# Allegro board 600-90658-01_CYW9BTM2BASE1_REV4.0.brd (continued)
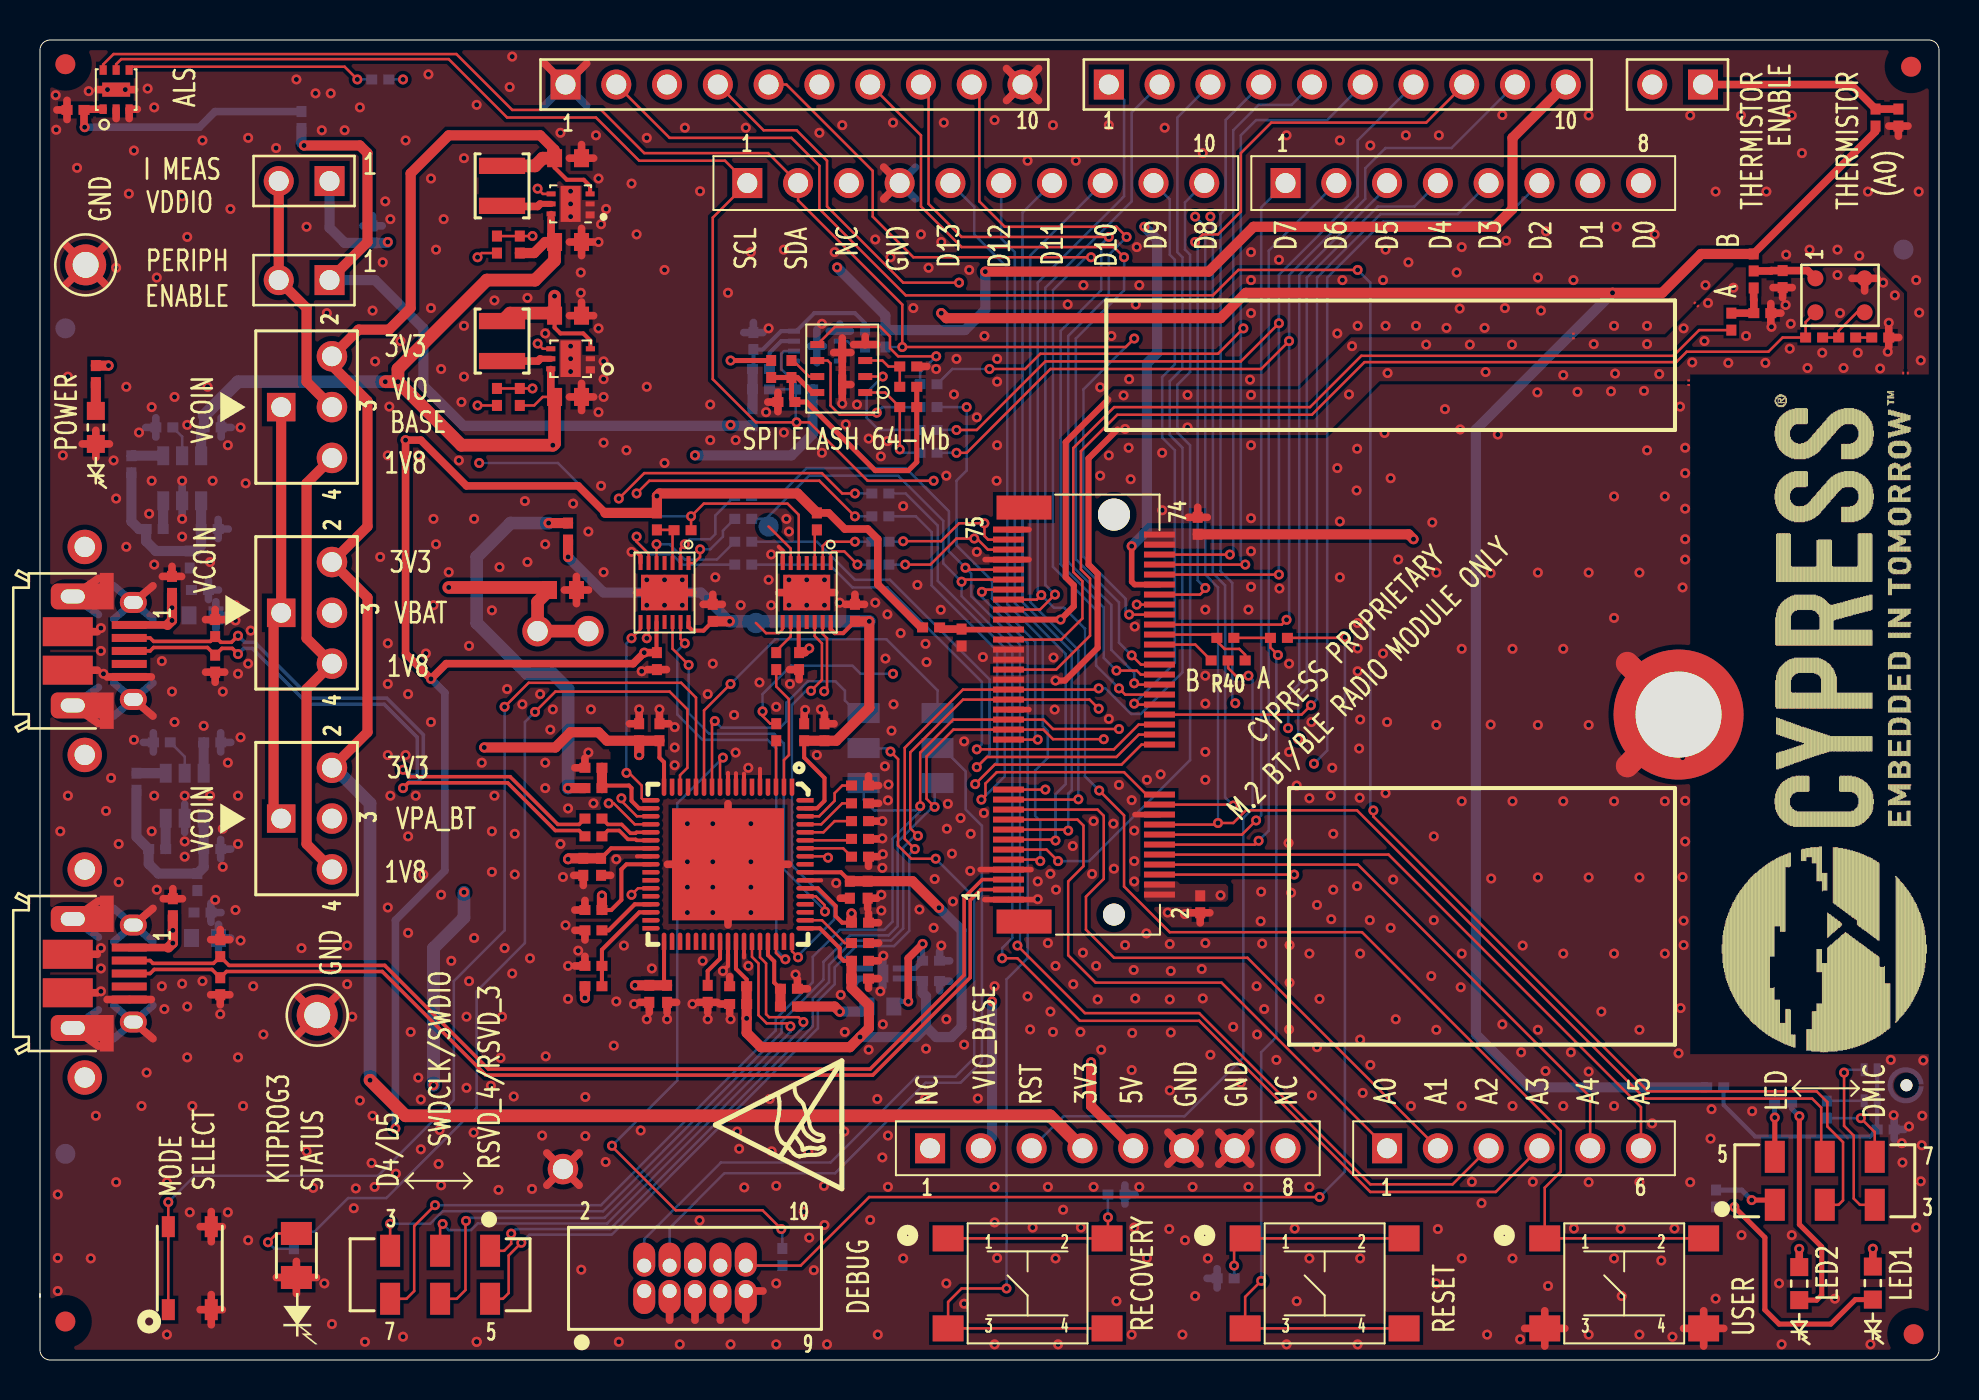
[diagram p0: board, top side]
## Routing (per net, layer and track width the routed paths; a pad name or vN(x,y) marks a point on that pad's centre or on a via; arc(x,y) is an arc through that point) (continued)
SCL: length 81
  TOP w0.127: v1(44.7,43.96) 41.4,43.96 38.48,46.88 v1(37.85,46.88) 35.81,46.88 33.66,49.04 33.66,57.12 J3.1 34.26,59.96 29.97,59.96 27.81,62.12 23.37,62.12 20.45,65.04 4.06,65.04 3.81,64.79 U10.5 ; J100.60 54.99,37.77 54.99,37.77 v1(54.86,37.77)
  L03_PWR w0.127: v1(54.86,37.77) 53.96,37.77 53.67,37.48 46.18,37.48 44.7,38.96 v1(44.7,43.96)
  BOTTOM w0.127: R39.2 37.8,46.93 v1(37.85,46.88) ; R39.2 R21.2 ; R39.2 37.8,48.83 37.08,49.55 37.08,50.31 37.22,50.44 U3.6
SCLK: length 7.7
  TOP w0.127: U11.6 39.4,49.97 39.55,49.83 39.55,47.72 40,47.26 41.76,47.26 v1(41.86,47.37)
  BOTTOM w0.127: v1(41.86,47.37) 42.14,47.64 R33.1
SDA: length 80.6
  TOP w0.127: J100.58 v1(54.48,37.27) ; U10.6 3.16,64.77 3.68,65.3 20.83,65.3 23.62,62.5 28.07,62.5 30.23,60.34 36.42,60.34 J3.2 37.92,57.98 43.14,52.77 v1(43.14,50.65) 54.31,50.65 v1(54.74,51.07)
  BOTTOM w0.127: v1(43.14,50.65) R38.2 R25.2 40.68,50.65 40.39,50.94 U3.2 ; v1(54.74,51.07) 52.2,48.53 52.2,40.17 54.31,38.06 54.31,37.45 v1(54.48,37.27)
SHIELD_RST_L: length 33.4
  TOP w0.127: v1(60.45,34.22) 59.82,34.22 59.44,34.6 R40.C
  BOTTOM w0.127: v1(60.45,34.22) 60.66,34.01 60.66,27.55 60.2,27.1 60.2,15.13 57.25,12.19 51.21,12.19 J1.3
SI: length 9
  TOP w0.127: v1(44.83,50.18) 42.93,50.18 42.52,50.59 42.52,51.18 42.04,51.66 39.77,51.66 U11.5
  BOTTOM w0.127: v1(44.83,50.18) 44.03,49.38 R34.1
SO: length 6.2
  TOP w0.127: U11.2 v1(42.16,49.17)
  BOTTOM w0.127: v1(42.16,49.17) 41.35,48.36 41.35,47.11 41.96,46.5 R30.1
SW5: length 57.3
  TOP w0.127: U12.13 32.82,33.12 32.07,33.86 24.44,33.86 v1(23.24,32.66) ; v1(6.42,7.89) SW5.2 SW5.1
  BOTTOM w0.127: v1(23.24,32.66) 23.24,21.48 20.7,18.94 20.7,13 16.92,9.21 7.74,9.21 v1(6.42,7.89)
SWDCLK: length 37.7
  BOTTOM w0.127: J13.4 31.5,6.6 34.23,9.34 39.77,9.34 44.3,13.86 46.05,13.86 47.12,14.93 47.12,26.72 46.3,27.53 46.3,29.43 45.14,30.59 SW15.5
SWDIO: length 40.8
  TOP w0.127: v1(44.81,25.06) 43.59,25.06 42.93,25.72 42.93,30.04 v1(42.55,30.42)
  BOTTOM w0.127: v1(44.81,25.06) 46.74,23.13 46.74,15.11 45.8,14.17 43.84,14.17 39.55,9.88 34.06,9.88 30.23,6.04 J13.2 ; SW15.2 41.22,30.58 42.39,30.58 v1(42.55,30.42)
SWDRST: length 63.4
  TOP w0.127: v1(64.01,8.15) 41.48,8.15 38.05,4.72 J13.10 ; R1.1 65.25,36.11 v1(65.28,36.14)
  BOTTOM w0.127: v1(65.28,36.14) 65.28,9.42 v1(64.01,8.15) ; R29.1 35.31,4.73 J13.10
TARG_SWD_RST_L: length 2.3
  TOP w0.127: U12.3 36.82,30.95 R45.1
TARG_SWDCLK: length 29.8
  TOP w0.127: SW8.2 20.02,6.67 v1(20.14,6.8) ; v1(38.19,16.9) 37.95,17.14 36.47,17.14 36.32,17.29 36.32,19.83 36.02,20.14 U12.47
  BOTTOM w0.127: v1(38.19,16.9) 38.19,16.64 28.37,6.83 21.89,6.83 21.56,6.5 20.45,6.5 v1(20.14,6.8)
TARG_SWDIO: length 31
  TOP w0.127: SW8.6 20.85,3.06 21.29,3.5 21.29,6.93 v1(21.31,6.95) ; v1(37.54,16.68) 37.39,16.83 36.35,16.83 35.94,17.24 35.94,19.83 35.62,20.16 U12.46
  BOTTOM w0.127: v1(21.31,6.95) 21.46,7.11 28.24,7.11 37.54,16.4 v1(37.54,16.68)
UART1_CTS: length 5.5
  TOP w0.127: U7.5 v1(30.84,40.79)
  BOTTOM w0.127: R73.1 33.87,40.02 32.26,40.02 31.5,40.79 v1(30.84,40.79)
UART1_RTS: length 7.2
  TOP w0.127: v1(29.84,41.17) 29.84,40.91 30.44,40.32 U7.6
  BOTTOM w0.127: v1(29.84,41.17) 29.84,40.91 30.48,40.28 31.62,40.28 32.13,39.77 R74.1
UART2_CTS: length 3.6
  TOP w0.127: v1(33.02,40.53) 33.02,40.15 32.72,39.85 U7.1
  BOTTOM w0.127: v1(33.02,40.53) 33.53,40.53 34.16,41.17 34.16,41.47 R75.1
UART2_RTS: length 5.1
  TOP w0.127: U7.2 32.04,40.57 v1(32.26,40.79)
  BOTTOM w0.127: R76.1 33.78,42.23 33.78,41.29 33.53,41.04 32.51,41.04 v1(32.26,40.79)
UART2_RX: length 2.9
  TOP w0.127: U8.1 39.55,40.34 39.64,40.43 40.24,40.43 v1(40.89,39.77)
  BOTTOM w0.127: R77.1 v1(40.89,39.77)
UART2_TX: length 3.4
  TOP w0.127: v1(40.77,40.91) 39.37,40.91 39.15,40.7 U8.2
  BOTTOM w0.127: R78.1 v1(40.77,40.91)
UART_1_CTS: length 23.4
  TOP w0.127: v1(39.42,25.12) 39.35,25.18 U12.61 ; U7.9 30.44,36.18 v1(30.35,36.09)
  L03_PWR w0.127: v1(30.35,36.09) 31.37,37.1 32.99,37.1 33.76,36.34 38.86,36.34 40.23,34.97 40.23,25.93 v1(39.42,25.12)
UART_1_RTS: length 10
  TOP w0.127: v1(29.34,29.36) 29.46,29.36 30.1,28.72 30.1,28.09 30.2,27.99 U12.18 ; U7.8 30.04,36.54 v1(29.59,36.09)
  BOTTOM w0.127: v1(29.34,29.36) 29.34,35.83 v1(29.59,36.09)
UART_1_RX: length 31.6
  TOP w0.127: U12.21 29.75,26.78 28.7,27.83 v1(28.45,27.83) ; v1(40.77,43.33) 40.13,43.33 39.12,44.34 30.23,44.34 v1(28.96,43.07)
  L03_PWR w0.127: v1(28.96,43.07) 28.76,42.88 28.76,35.9 28.45,35.58 v1(28.45,27.83)
  BOTTOM w0.127: R71.1 v1(40.77,43.33)
UART_1_TX: length 30.5
  TOP w0.127: v1(40.77,42.18) 38.99,43.96 30.48,43.96 v1(29.84,43.33) ; U12.20 29.86,27.19 29.08,27.96 v1(29.08,28.09)
  L03_PWR w0.127: v1(29.08,28.09) 28.83,28.34 28.83,35.45 29.08,35.71 29.08,42.56 v1(29.84,43.33)
  BOTTOM w0.127: R72.1 v1(40.77,42.18)
UART_2_CTS: length 22.4
  TOP w0.127: v1(37.29,20.04) 37.13,20.04 36.82,20.35 U12.49 ; v1(32.26,35.83) 32.04,36.05 U7.13
  BOTTOM w0.127: v1(37.29,20.04) 36.83,20.49 36.83,30.58 36.4,31.01 33.15,31.01 31.88,32.28 31.88,35.45 v1(32.26,35.83)
UART_2_RTS: length 21
  TOP w0.127: v1(39.27,22.42) 39.24,22.45 39.24,22.75 38.81,23.18 U12.56 ; v1(32.45,34.75) 31.64,35.56 U7.12
  BOTTOM w0.127: v1(39.27,22.42) 39.27,22.47 37.21,24.53 37.21,30.83 36.73,31.31 33.48,31.31 32.45,32.34 v1(32.45,34.75)
UART_2_RX: length 21.6
  TOP w0.127: U8.13 39.15,36.3 39.37,36.09 39.37,33.57 v1(39.23,33.43) ; v1(29.59,23.26) 29.92,23.59 U12.29
  L03_PWR w0.127: v1(29.59,23.26) 30.48,24.15 34.29,24.15 34.92,24.78 34.92,29.86 38.07,33.01 38.81,33.01 v1(39.23,33.43)
UART_2_TX: length 20.2
  TOP w0.127: U12.51 37.62,20.44 v1(37.92,20.14) ; U8.12 38.75,36.2 39.12,35.83 39.12,34.01 v1(38.57,33.46)
  BOTTOM w0.127: v1(38.57,33.46) 38.32,33.46 37.62,32.76 37.62,24.73 39.73,22.63 39.73,22.02 37.92,20.21 v1(37.92,20.14)
USB_PWR: length 1.5
  BOTTOM w0.508: U15.6 C56.1
USB_V_SENSE: length 4.4
  TOP w0.203: R51.2 28.24,28.72 29.46,28.72 29.59,28.59 29.59,27.96 29.97,27.58 U12.19
  TOP w0.508: R54.2 R51.2
VCOIN: length 39.7
  TOP w0.508: J16.1 11.68,27.45 11.68,36.98 J8.1 J7.1
  TOP w0.635: BT1.1 BT1.2 24.89,37.91 C13.1 25.36,38.63 v1(20.45,38.63)
  L03_PWR w0.635: J8.1 13.34,38.63 v1(20.45,38.63)
VIO_BASE: length 243
  TOP w0.203: U8.10 37.95,35.39 C47.1 ; C49.1 30.84,35.39 U7.10
  TOP w0.381: v1(44.15,20.8) 43.43,20.09 v1(43.43,17.93) ; C47.1 38.27,35.37 v1(38.48,35.58) ; R56.2 39.45,42.35 40.26,41.55 41.4,41.55 41.91,41.04 41.91,38.78 44.06,36.63 R6.2 ; C49.1 v1(30.23,35.37) 29.67,34.82 20.32,34.82 v1(19.56,34.06) 18.29,35.33 v1(18.29,45.99) 19.05,45.99 21.34,43.71 26.92,43.71 28.28,42.35
  TOP w0.508: R56.2 37.89,43.33 30.99,43.33 v1(30.86,43.2) R64.2 28.28,42.35 ; J7.3 13.34,48.91 13.34,52.6 11.94,53.99 J19.2 J17.2 ; v1(47.29,54.42) 58.46,54.42 60.71,56.66 72.77,56.66 73.66,57.55 73.66,61.11 J12.10
  L03_PWR w0.381: v1(17.78,11.58) 17.78,10.28 18.67,9.39 18.67,6.37 22.96,2.08 27.3,2.08 28.68,3.45 J13.1 ; v1(30.23,35.37) 30.78,35.37 31.88,36.47 32.64,36.47 33.53,35.58 v1(38.48,35.58) ; J7.3 16.26,45.99 v1(18.29,45.99)
  L03_PWR w0.508: v1(30.86,43.2) 32.77,45.1 v1(32.77,45.23) 32.77,52.98 34.42,54.63 v1(39.88,54.63) ; J1.2 38.02,1.54 30.61,1.54 30.23,1.92 J13.1 ; v1(43.43,17.93) v1(47.62,17.93)
  BOTTOM w0.254: v1(43.43,17.93) 42.97,17.93 R65.1 ; U9.3 43.77,19.57 C21.1 v1(44.15,20.8)
  BOTTOM w0.381: v1(17.78,11.58) 17.78,21.99 20.26,24.47 20.26,33.36 v1(19.56,34.06)
  BOTTOM w0.508: v1(47.29,54.42) 47.29,52.52 46.27,51.5 R38.1 42.29,52.22 v1(39.88,54.63) ; v1(32.77,45.23) 37.59,45.23 38.65,46.29 R39.1 ; v1(47.62,17.93) 47.62,11.15 J1.2
VPA_BT: length 57.2
  L03_PWR w0.508: v1(59.05,23.24) 59.05,17.67 55.12,13.74 27.94,13.74 J16.3
VTARG: length 20.8
  TOP w0.508: v1(40,17.42) 39.75,17.67 R53.1 ; R52.1 v1(27.26,18.1)
  L03_PWR w0.508: v1(27.26,18.1) 29.59,15.77 38.61,15.77 40,17.16 v1(40,17.42)
  BOTTOM w0.254: R65.2 40.77,18.27 40.77,18.82 41.03,19.07 U9.1
  BOTTOM w0.508: v1(40,17.42) 41.11,17.42 R65.2
VTARG_MEAS: length 5.1
  TOP w0.203: U12.32 29.98,22.38 28.11,20.51 R55.2 R52.2
N17318193: length 10.2
  TOP w0.127: v1(53.42,7.13) 53.42,6.12 SW1.2 SW1.1
  BOTTOM w0.127: R79.1 v1(53.42,7.13)
N17319683: length 2.4
  TOP w0.381: R10.2 C5.1 85.73,53 85.72,53.01 R11.A
N17319743: length 2.8
  TOP w0.127: MIC1.3 90.89,52.38 89.98,51.46 R17.2 R15.2
N17319749: length 0.8
  TOP w0.127: C7.1 R17.1
N17319864: length 1.6
  TOP w0.127: U11.7 38.48,49.17 37.68,49.97 R86.2
N17319893: length 15.4
  TOP w0.254: R84.1 R85.1 43.86,44.89 43.43,44.47 41.78,44.47 38.35,47.9 C50.1 37.59,48.07 R86.1 ; R88.1 R86.1 ; R86.1 37.89,49.12 38.64,48.37 U11.8
N17319982: length 2.9
  TOP w0.127: U11.3 42.14,49.97 42.44,49.67 43,49.67 R87.1 R84.2
N17320315: length 10.3
  TOP w0.381: J18.1 90.59,63.77 TH2.2 R32.1
N17321365: length 3.6
  TOP w0.381: 6.38,36.75 J6.1
  TOP w0.508: 6.38,36.75 v1(6.6,36.98) v1(6.6,37.61) D7.2
N17321367: length 9.3
  BOTTOM w0.508: R23.1 4.57,41.93 4.95,41.55 R19.1 5.31,40.94 5.8,40.45 FB1.2 7.79,40.45 8.06,40.72 C53.1 U6.1
N17321640: length 4.9
  TOP w0.127: v1(24.64,48.58) R42.2 R99.2 ; U5.4 25.15,50.56 v1(24.9,50.82)
  L03_PWR w0.127: v1(24.9,50.82) 24.64,50.56 v1(24.64,48.58)
N17321661: length 5
  TOP w0.127: v1(24.64,56.2) R93.2 R98.2 ; v1(24.89,58.57) 25.15,58.3 U4.4
  L03_PWR w0.127: v1(24.64,56.2) 24.64,58.31 v1(24.89,58.57)
N17321701: length 2.5
  TOP w0.305: 25.02,50.06 U5.5
  TOP w0.381: L1.1 24.91,49.95 25.02,50.06
N17324781: length 3
  TOP w0.127: D5.2 11.84,6.33 v1(11.4,5.89)
  BOTTOM w0.127: R9.2 11.73,5.56 v1(11.4,5.89)
N17325037: length 2.8
  TOP w0.127: C25.1 40.26,20.85 39.12,21.99 U12.53
N17325251: length 2.8
  TOP w0.178: U12.23 29.84,25.98 29.79,26.03 29.41,26.03 28.97,26.47 28.4,26.47 R7.2
N17325253: length 2.8
  TOP w0.178: U12.22 29.84,26.39 29.79,26.34 29.54,26.34 29.1,26.78 28.4,26.78 R47.2
N17325263: length 3
  TOP w0.203: U12.31 29.75,22.79 28.45,21.48 C26.1
N17326814: length 2.5
  TOP w0.127: R64.1 31.7,41.5 R96.2 31.64,41.41 U7.3
N17326877: length 1.7
  TOP w0.127: R56.1 38.75,41.4 U8.3
N17326996: length 1.8
  TOP w0.127: U8.9 37.55,36.18 36.83,35.45 R97.2
N17329530: length 9.9
  BOTTOM w0.203: R25.1 41.27,51.84 40.77,52.34 38.73,52.34 37.83,51.44 U3.8 37.07,51.44 36.15,50.52 C11.1 35.69,49.59 R27.1
  BOTTOM w0.508: R27.1 R21.1 R20.1
N17329630: length 2.3
  BOTTOM w0.203: U3.7 37.08,50.94 36.49,50.36 R27.2
N17335019: length 3.6
  TOP w0.381: J21.1 6.42,20.62
  TOP w0.508: 6.42,20.62 v1(6.65,20.85) v1(6.65,21.48) D10.2
N17361004: length 1.6
  BOTTOM w0.127: U6.5 7.11,46.16 R24.1
N17363779: length 13
  TOP w0.381: U10.1 2.24,62.54 C17.1 2.2,61.67 v1(2.24,61.64)
  BOTTOM w0.381: v1(2.24,61.64) 7.98,61.64 8.76,62.42 R22.1
N17364419: length 1.4
  BOTTOM w0.508: U6.3 R19.2
N17364422: length 1.6
  BOTTOM w0.508: U6.4 R23.2
N17366377: length 9.5
  BOTTOM w0.508: R44.1 4.83,26.16 R43.1 5.44,24.81 5.93,24.32 FB2.1 8.19,24.64 C54.1 U15.1
N17366397: length 1.5
  BOTTOM w0.508: U15.3 R43.2
N17366407: length 1.5
  BOTTOM w0.508: U15.4 R44.2
N17367182: length 1.8
  BOTTOM w0.127: R46.1 7.24,30.16 U15.5
N17369129: length 12.5
  TOP w0.127: U10.4 4.62,64.66 15.24,64.66 v1(15.88,64.03)
  BOTTOM w0.127: R26.1 v1(15.88,64.03)
N17384127: length 10.2
  TOP w0.127: SW2.2 SW2.1 59.73,5.53 v1(59.73,4.72)
  BOTTOM w0.127: R80.1 v1(59.73,4.72)
N17407317: length 3.2
  TOP w0.254: v1(85.62,8) 86.55,8 SW4.1
  BOTTOM w0.254: v1(85.62,8) 85.12,8.5 R16.2
N17407334: length 12.9
  TOP w0.254: v1(84.76,7.65) 86.28,6.12 86.28,2.51 87,1.8 89.59,1.8 90.81,3.02 D1.C
  BOTTOM w0.254: R16.1 v1(84.76,7.65)
N17407368: length 2.7
  TOP w0.254: SW4.5 v1(86.78,12.12)
  BOTTOM w0.254: v1(86.78,12.12) 86.77,12.13 R18.1
N17407421: length 11.5
  TOP w0.254: D2.C 88.88,2.99 89.13,3.25 89.13,5.66 88.01,6.78 v1(88.01,12.19)
  BOTTOM w0.254: v1(88.01,12.19) 87.62,12.57 R18.2
N17422116: length 12.3
  BOTTOM w0.203: R28.1 84.23,12.75 85.8,11.17 91.55,11.17 C18.1 U13.2 U13.4
N17422318: length 1.9
  BOTTOM w0.127: U13.1 89.4,12.96 R12.1
N173217711: length 2.5
  TOP w0.305: 25.02,57.8 U4.5
  TOP w0.381: L3.1 23.14,57.68 24.89,57.68 25.02,57.8
N173218601: length 1.4
  TOP w0.508: R35.2 D3.A
N173266295: length 2.3
  TOP w0.127: TP43.1 37.55,40.57 U8.6
N173266297: length 2
  TOP w0.127: U8.8 37.15,36.54 36.96,36.34 36.32,36.34 TP42.1

## Copper pours and planes (outline as drawn; the poured copper is in the pictures)
GND on TOP (solid shape): 3.69,37.53 0.89,37.53 0.64,37.63 0.54,37.88 0.54,38.48 0.64,38.73 0.89,38.83 2.99,38.83 2.99,39.35 3.69,39.35
GND on TOP (solid shape): 3.69,31.55 2.99,31.55 2.99,32.08 0.89,32.08 0.64,32.18 0.54,32.43 0.54,33.03 0.64,33.28 0.89,33.38 3.69,33.38
GND on TOP (solid shape): 3.69,21.4 0.89,21.4 0.64,21.5 0.54,21.75 0.54,22.35 0.64,22.6 0.89,22.7 2.99,22.7 2.99,23.22 3.69,23.22
GND on TOP (solid shape): 3.69,15.42 2.99,15.42 2.99,15.95 0.89,15.95 0.64,16.05 0.54,16.3 0.54,16.9 0.64,17.15 0.89,17.25 3.69,17.25
GND on TOP: 0.51,0.51 0.51,65.49 94.49,65.49 94.49,0.51 ; 34 cut-outs
GND on BOTTOM: 0.51,0.51 0.51,65.49 94.49,65.49 94.49,0.51 ; 44 cut-outs
GND on L02_GND: 0.51,0.51 0.51,65.49 94.49,65.49 94.49,0.51
GND on L03_PWR: 0.51,0.51 0.51,65.49 94.49,65.49 94.49,0.51 ; 5 cut-outs
GND_A on TOP: 53.47,46.25 53.21,46.5 53.21,48.03 53.72,48.53 62.99,48.53 65.6,51.14 81.34,51.14 84.84,54.63 91.95,54.63 93.24,53.33 93.24,49.25 92.94,48.94 67.01,48.94 64.31,46.25 ; 1 cut-out
GND_A on TOP: 50.55,33.83 50.67,33.71 51.05,33.71 51.18,33.83 51.18,35.49 50.93,35.74 47.5,35.74 47.24,35.99 45.85,35.99 45.59,35.74 45.59,34.22 45.97,33.83
GND_A on L02_GND: 50.42,33.67 50.27,33.83 47.37,33.83 46.86,34.34 46.86,35.78 47.35,36.27 49.96,36.27 50.27,36.57 50.27,37 50.57,37.31 51.13,37.31 51.56,37.74 51.56,38.68 51.16,39.09 51.16,45.97 53.72,48.53 62.99,48.53 65.53,51.07 81.28,51.07 84.84,54.63 87.68,54.63 87.69,54.62 87.88,54.58 88.07,54.62 88.09,54.63 91.95,54.63 93.24,53.33 93.24,49.27 92.71,49.27 92.71,48.65 92.28,48.22 83.83,48.22 83.11,48.94 67.01,48.94 64.31,46.25 53.85,46.25 52.6,45 52.6,42.41 52.59,42.27 52.6,42.13 52.6,40.08 53.14,39.54 53.14,35.45 51.36,33.67
VBAT on TOP: 55.24,41.33 55.5,41.58 58.29,41.58 58.29,40.57 55.24,40.57
VPA_BT on TOP: 55.24,23.93 56.9,23.93 57.02,23.8 59.31,23.8 59.44,23.67 59.44,23.04 59.31,22.91 55.37,22.91 55.24,23.04
N17321365 on BOTTOM: 6.22,37.74 6.22,36.98 6.48,36.72 7.87,36.72 7.87,39.9 7.24,39.9 7.24,38.75
N17335019 on BOTTOM: 8,20.59 8,23.64 7.37,23.64 7.37,22.63 6.35,21.61 6.35,20.59

Small or netless copper shapes (teardrops, artwork), in the pictures only: 1 on BOTTOM

## Text on the board
BOTTOM: BOTTOM SIDE
Board Geometry/Soldermask Bottom: SOLDERMASK BOTTOM
Ref Des/Silkscreen Bottom: J11 | 1 | 10 | B | RSVD_10 | RSVD_11 | RSVD_12 | LED1_L | LED2_L | COEX1 | COEX2 | COEX3 | GND | A | USB | PROG | BT | MT2 | MT1 | SCL | BT  KP3 | SDA | DBG HDR SWD SEL | NC | J1 | D13 | VIO_BASE | D12 | RST | D11 | 3V3 | D10 | 5V | D9 | D8 | J3 | D7 | D6 | RSVD1 | J2 | RSVD2 | D5 | A0 | RSVD3 | D4 | A1 | RSVD4 | D3 | A2 | RSVD5 | A3 | RSVD6 | D2 | RSVD7 | D1 | A4 | J12 | RSVD8 | 8 | D0 | A5 | RSVD9 | J4 | MT3 | MT4 | CYW9BTM2BASE1 | 600-90658-01 REV4.0 | CR2032 | SILKSCREEN BOTTOM
TOP: TOP SIDE
Ref Des/Assembly Top: 2 | 10
Board Geometry/Soldermask Top: SOLDERMASK TOP
Ref Des/Silkscreen Top: 9 | 6 | VDDIO | I MEAS | PERIPH | ENABLE | 3V3 | 1V8 | VIO_ | BASE | VBAT | VPA_BT | SPI FLASH 64-Mb | CYPRESS PROPRIETARY | M.2 BT/BLE RADIO MODULE ONLY | POWER | GND | MODE | ALS | VCOIN | SELECT | KITPROG3 | STATUS | D4/D5 | SWDCLK/SWDIO | RSVD_4/RSVD_3 | SCL | SDA | NC | DEBUG | D13 | VIO_BASE | D12 | RST | D11 | D10 | 5V | RECOVERY | D9 | D8 | D7 | D6 | A0 | D5 | A1 | D4 | RESET | A2 | D3 | A3 | D2 | A4 | D1 | A5 | D0 | USER | THERMISTOR | LED | LED2 | DMIC | (A0) | LED1 | SILKSCREEN TOP
L02_GND: L02_GND
L03_PWR: L03_PWR
PAGE_OUTLINE: SOLDERPASTE TOP
PLACE_BOUND_TOP: SOLDERPASTE BOTTOM
BODY_CENTER: GOLDMASK TOP
COMPVAL_TYPE_BOTTOM: GOLDMASK BOTTOM
User.9: 1. 16p6 11/04/2013 F.H.: | 2. 16p6 11/13/2013 F.H.: | 3. 16p6 12/09/2013 F.H.: | 4. 16p6 07/28/2014 F.H.: | 5. 16p6 11/13/2014 F.H.: | 6. 16p6 02/19/2015 F.H.: | 7. 16p# ##/##/201# X.X.: | A. CREATED StartJob_Allegro_16p6.brd FROM StartJob_Allegro_16p5.brd | B. CREATED BOARD GEOMETRY "REV" SUBCLASS FOR TRACKING REV CHANGES TO THIS DATABASE | C. ADDED GOLDMASK FILM LAYERS | D. ADDED TOOLING HOLE SYMBOL MTGHOLE_D320N TO DATABASE | E. SET SOLDERMASK DRC CHECKING TO OFF, CLINE TO SM PAD CHECK TO NE DONE AT FINAL QC | F. CREATED STANDARD SPACING CLASSES IN CONSTRAINT MANAGER TO SUPPORT BRCM NAMING STANDARD | G. CREATED STANDARD CLASS TO CLASS SPACING FOR CRITICAL_2X AND CRITICAL_3X TO PWR | A. REFRESHED FAB STACK-UP SYMBOL THAT NOW SUPPORTS IMPEDANCE REFERENCE LAYER AND COPLANAR SPACING. | A. ADDED BOARD GEOMETRY SUBCLASSES FAB_TITLEDATA2 AND FAB_TITLEDATA3 TO SUPPORT FAB DRAWING DATA ON MECHANICAL SYMBOLS | A. UPDATED FAB_NOTES SYMBOL | A. UPDATED FAB_NOTES AND FAB_TITLE SYMBOLS TO INCORPORATE UNIFORM PART NUMBERING | B. UPDATED CONSTRAINT RULE NAMES TO REFLECT NEW BRCM PREFERRED PRACTICES DOCUMENT | A. REPLACED ASSY, REV, SER, AND BCM NUMBER TEXT AND SHAPES WITH NEW "LEGEND_" FORMAT SYMBOLS | A. REV | ALLEGRO START JOB UPDATES/REVISIONS
User.18: THE INFORMATION HEREIN IS PROPRIETARY TO CYPRESS | SAN JOSE, CA
User.20: -- | ----- | --- | 90 | ---- | .00701/.00499 | 3
User.23: THE INFORMATION CONTAINED HEREIN IS CONFIDENTIAL AND | PROPRIETARY TO CYPRESS SEMICONDUCTOR CORPORATION AND | SHALL NOT BE REPRODUCED OR DISCLOSED IN WHOLE OR IN | PART OR USED FOR ANY DESIGN, MANUFACTURE, OR OTHERWISE | EXCEPT WHEN SUCH USER POSSESSES DIRECT, WRITTEN | AUTHORIZATION FROM CYPRESS SEMICONDUCTOR CORPORATION. | 08/08/19
User.24: DESIGN UPDATE | MILI68 | MILI76 | MILI81 | 2.0 | 3.0 | 4.0 | 06/03/19 | 08/08/19 | 02/11/20 | YJUN | ISJP | MILI
User.26: THE INFORMATION CONTAINED HEREIN IS CONFIDENTIAL AND | PROPRIETARY TO CYPRESS SEMICONDUCTOR CORPORATION AND | SHALL NOT BE REPRODUCED OR DISCLOSED IN WHOLE OR IN | EXCEPT WHEN SUCH USER POSSESSES DIRECT, WRITTEN | AUTHORIZATION FROM CYPRESS SEMICONDUCTOR CORPORATION. | PART OR USED FOR ANY DESIGN, MANUFACTURE, OR OTHERWISE
User.27: THE INFORMATION CONTAINED HEREIN IS CONFIDENTIAL AND | PROPRIETARY TO CYPRESS SEMICONDUCTOR CORPORATION AND | SHALL NOT BE REPRODUCED OR DISCLOSED IN WHOLE OR IN | EXCEPT WHEN SUCH USER POSSESSES DIRECT, WRITTEN | AUTHORIZATION FROM CYPRESS SEMICONDUCTOR CORPORATION. | PART OR USED FOR ANY DESIGN, MANUFACTURE, OR OTHERWISE
User.45: FIGURE | SIZE | 9.84 | 27.56 | 39.0 | 39.37 | 40.0 | 40.16 | 51.18 | 169.29 | 23.62 | 43.31 | 62.99 | 37.4x25.59 | 47.24x27.56 | DRILL CHART: TOP to BOTTOM | ALL UNITS ARE IN MILS | TOLERANCE | +1.97/-9.84 | +2.99/-2.99 | +3.0/-3.0 | +2.95/-2.95 | +1.97/-1.97 | +5.0/-5.0 | PLATED | NON-PLATED | QTY | 1030 | 10 | 3 | 9 | 58 | 4 | 2 | 1
